# Altium PCB PCB1.PcbDoc
Units mil, origin at the board's own origin, x right, y up, seen from the top; angles counter-clockwise.
Board outline 1978.53 x 994.28 mil, 2 copper layers (Top Layer, Bottom Layer); 9 components, 6 nets, 31 pads, 4 vias.
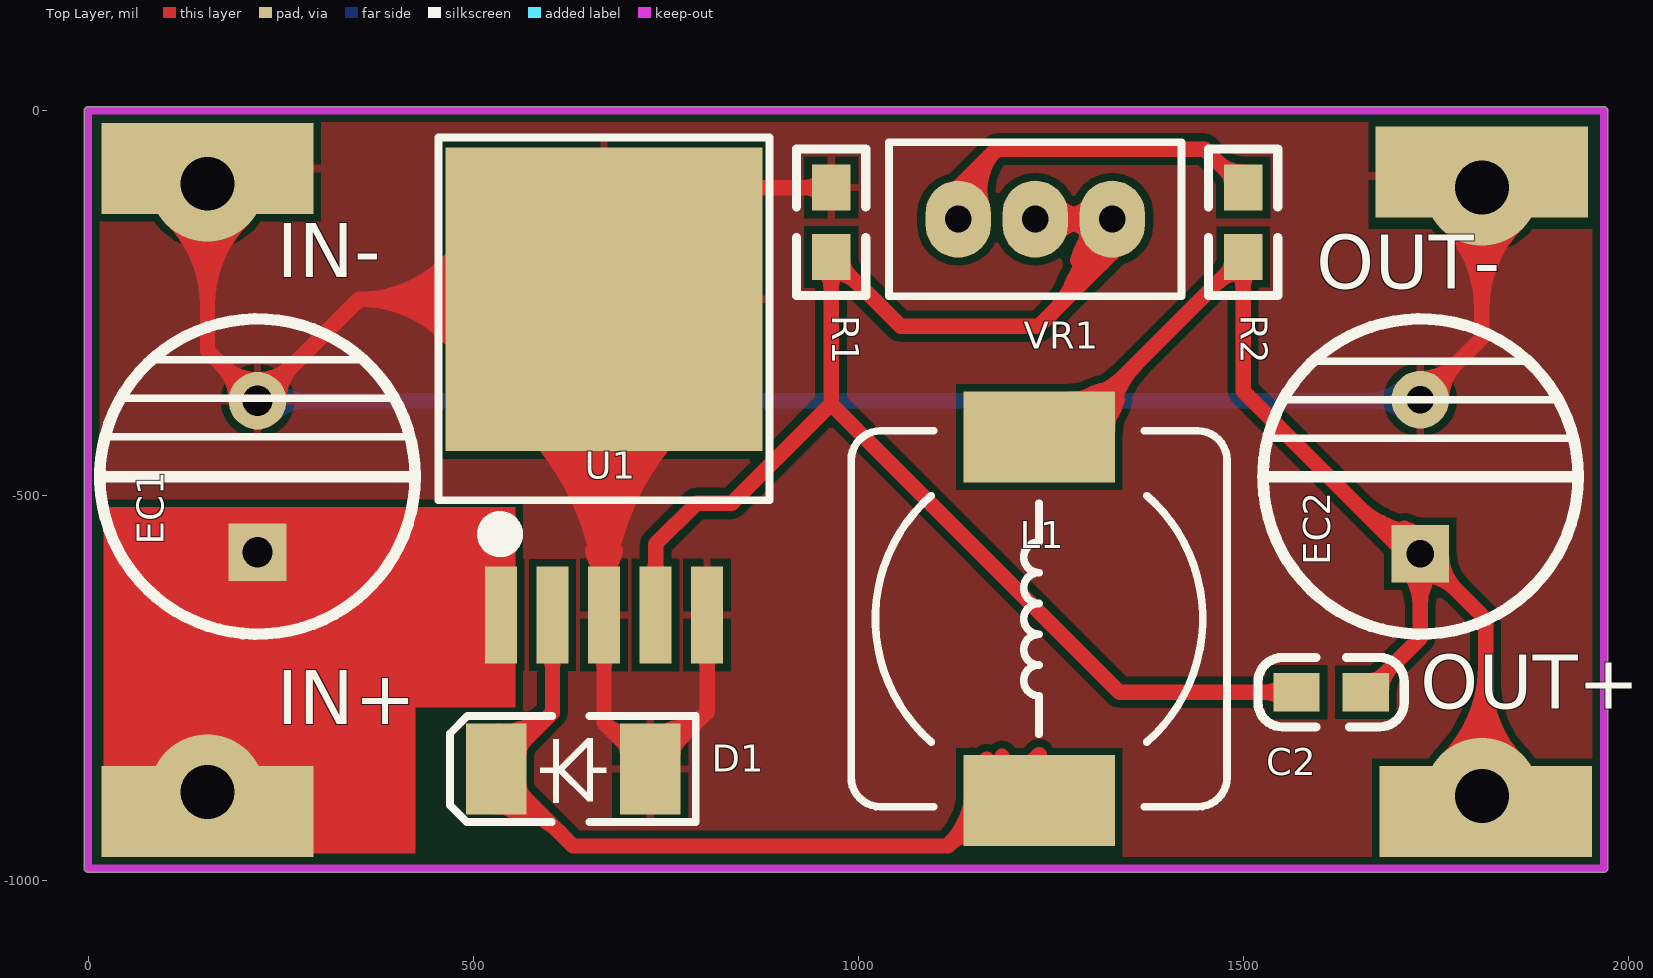
[diagram p0: Top Layer view]
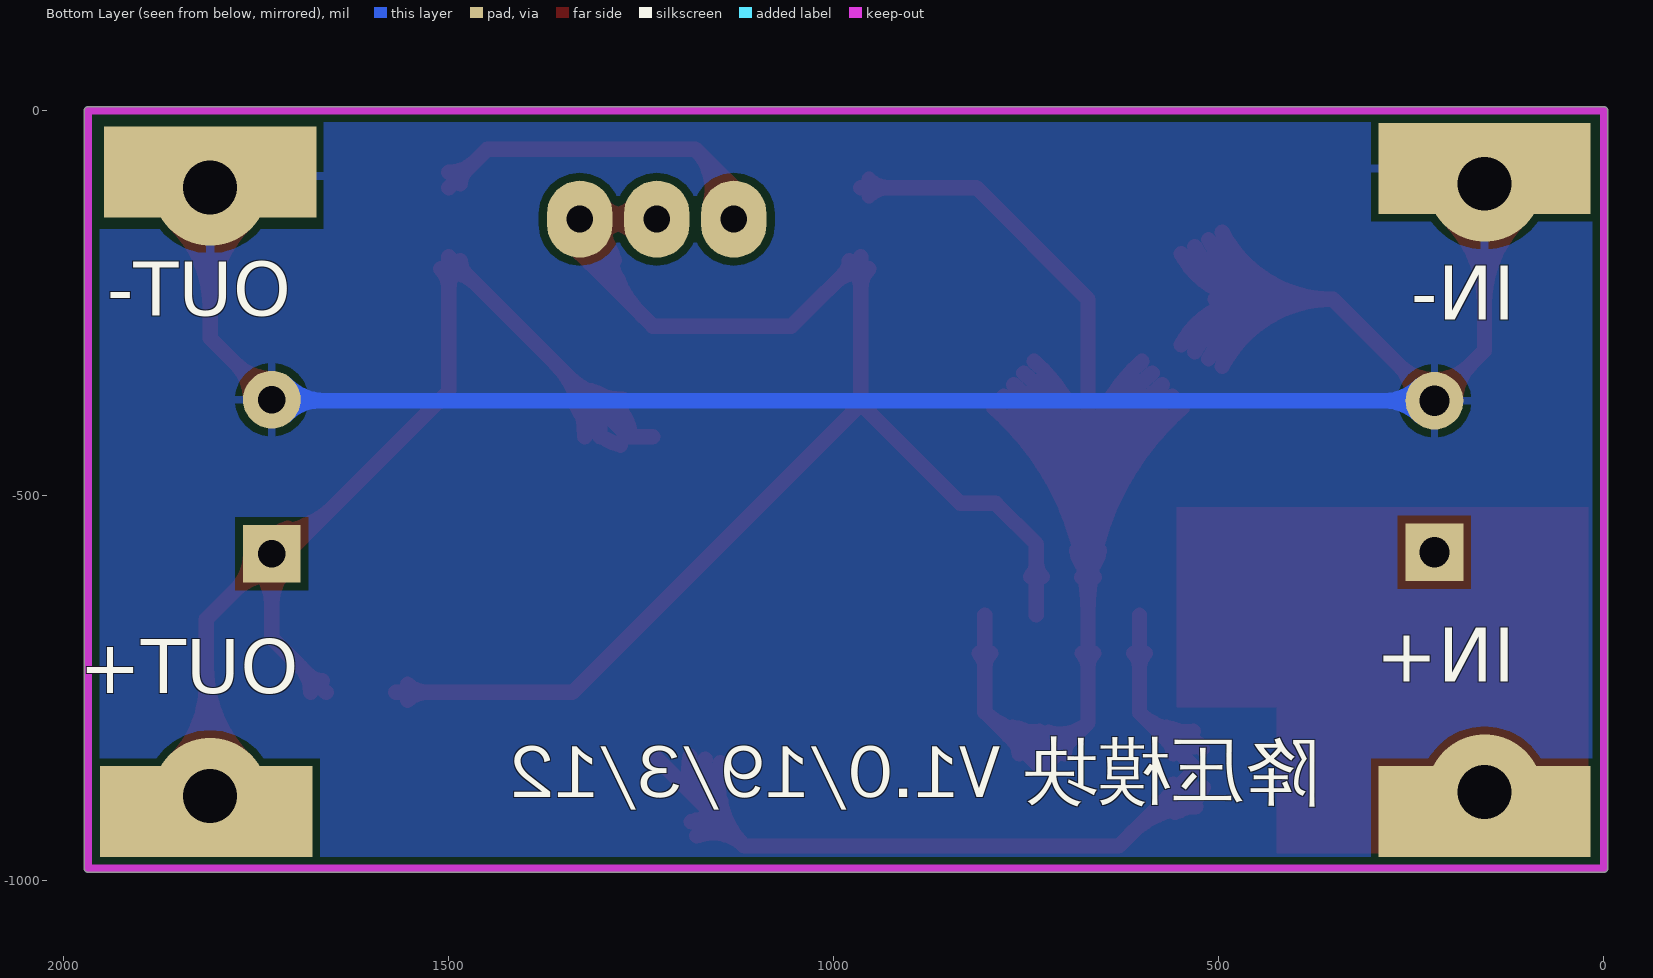
[diagram p1: Bottom Layer view, seen from below]
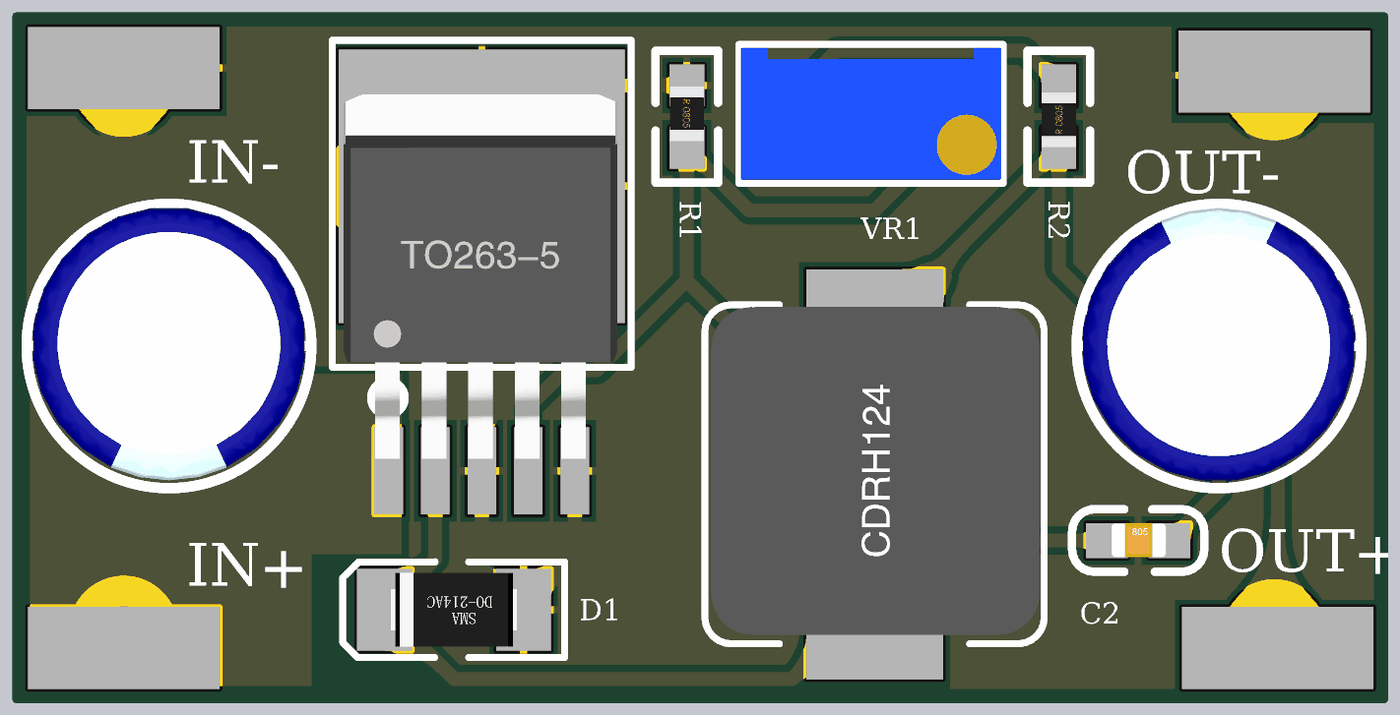
[diagram p2: 3D render of the assembled board from above, using the file's embedded part models]

## Layer stack, top to bottom
Top Layer: signal copper 1.4
Dielectric: dielectric 12.6, FR-4, Dk 4.8
Bottom Layer: signal copper 1.4

## Board outline
-5.01,-984.25 ccw(c0,-984.25) 0,-989.27 1968.5,-989.27 ccw(c1968.5,-984.25) 1973.52,-984.25 1973.52,0 ccw(c1968.5,0) 1968.5,5.01 0,5.01 ccw(c0,0) -5.01,0

## Design rules (kind name [scope] priority, off if disabled: settings)
Clearance [All] p1: gap=10
PolygonConnect [All] p1: connectstyle=Relief reliefconductorwidth=10 reliefentries=4 polygonreliefangle="90 Angle" airgapwidth=10
RoutingVias [All] p1: holewidth=28 width=50 viastyle="Through Hole" minholewidth=28 minwidth=50 maxholewidth=28 maxwidth=50
SolderMaskExpansion [All] p1: expansion=4
Width 5V [InNet('5V')] p1: maxlimit=20 minlimit=20 preferedwidth=20
Width 24V1 [InNet('24V')] p2: maxlimit=40 minlimit=35 preferedwidth=40
Width 24V [InNet('+24V')] p3: maxlimit=40 minlimit=35 preferedwidth=40
Width [All] p4: maxlimit=20 minlimit=20 preferedwidth=20
28 further rules are at their usual default settings.

## Components (designator, comment, footprint, x,y, rotation, side; value= is the part's Value field where it differs from the comment)
C2 "3.3nF" 0805C 1570,-755 r0 top
D1 "IN5822" SMA/DO-214AC 725,-855 r180 top
EC1 "470uF 50V" DIP-EC5.0X10X12.5 220,-573.66 r90 top
EC2 "220UF" DIP-EC5.0X10X16 1730,-575.47 r90 top
L1 "68UH" CDRH124 1235,-660 r90 top
R1 "1K2" 0805R 965,-100 r270 top
R2 "1K2" 0805R 1500,-190 r90 top
U1 "LM2596-5.0" TO263-5A 670,-655 r0 top
VR1 "20K" 3296W 1230,-141 r0 top

## Footprints (in the part's own frame and the unit in brackets; to place one, negate y for a bottom-side part, rotate by r counter-clockwise, add the part's x,y. Pads: shape width x height; smd on the part's side, far side on the other; paste and mask are expansions set on the pad)
0805C [mil]
  rect 60x50 smd: 1(-0.71,-0.4) 2(89.29,-0.4)
  silkscreen extent -51,-45 139,45, body extent 6,-25 84,25, height 31
0805R [mil]
  rect 60x50 smd: 1(0,0) 2(90,0)
  silkscreen extent -50,-45 140,45, body extent 1,-25 80,25, height 15
3296W [mil]
  oval 85x100 hole 35: 1(-100,0) 2(0,0) 3(100,0)
  silkscreen extent -190,-100 190,100, body extent -188,-94 188,94, height 455
CDRH124 [mm] "12*12*4.5mm（长宽高）"
  rect 3x5 smd: 1(-6,0) 2(6,0)
  silkscreen extent -6.2,-6.2 6.2,6.2, body extent -5.87,-6.03 6.13,5.97, height 4.55
DIP-EC5.0X10X12.5 [mm]
  rect 1.9x1.9 hole 1: 1(0,0)
  round 1.9 hole 1: 2(5,0)
  silkscreen extent -2.7,-5.21 7.7,5.2, body extent -2.41,-5 7.6,5, height 12.55
DIP-EC5.0X10X16 [mm]
  rect 1.9x1.9 hole 0.9: 1(0,0)
  round 1.9 hole 0.9: 2(5.08,0)
  silkscreen extent -2.65,-5.21 7.74,5.19, body extent -2.41,-5 7.6,5, height 16.04
SMA/DO-214AC [mm] "塑封二极管"
  rect 2x3 smd: A(-0.127,0) K(4.953,0)
  silkscreen extent -1.63,-1.75 6.48,1.75, body extent 0.11,-1.35 4.71,1.35, height 2.4
TO263-5A [mm] "263，5脚晶体管"
  rect 1.05x3.2 smd: 1(-3.4,0) 2(-1.7,0) 3(0,0) 4(1.7,0) 5(3.4,0)
  rect 10.45x10 smd: 3(0,10.414)
  silkscreen extent -5.46,2.29 5.46,15.75, body extent -5.05,0.45 4.95,13.78, height 4.5

## Part data
C2: library part CAP, "无极性电容"
D1: library part "DIODE SCHOTTKY", "肖特基二极管"
EC1 EC2: library part DIP_ECAP, "直插电解电容"
L1: library part INDUCTOR, "INDUCTOR"
R1 R2: library part RES
U1: "DC降压芯片"
VR1: library part RESVR

## Free pads (board coordinates)
  rect 275.59x118.11 smd: 0(155,-75) 1(155,-910) 2(1810,-80) 3(1815,-910)
  rect 275.59x118.11 smd far side: 0(155,-75) 1(155,-910) 2(1810,-80) 3(1815,-910)

## Via types
v1: diameter 150, hole 70, Top Layer to Bottom Layer, 4 vias

## Nets (pads, with @x,y where several pads share a name; then routed paths per layer and width w, separated by ;. In a path a pad name is that pad's centre, name@x,y a point inside that pad or via, vN(x,y) a via of type N, cw(c..) or ccw(c..) an arc to the next point about the centre after c; other vN are vias at no path point)
+24V: EC1.1 pad.1 U1.1 | length 2175.2
  Top Layer w35: v1@114.34,-844.34 ccw(c16.18,-746.18) 155,-746.18 ccw(c293.82,-746.18) v1@195.66,-844.34 ; pad.1@155,-910 155,-638.66 EC1.1 454.8,-573.66 U1.1 ; pad.1@125.62,-880.62 ccw(c54.68,-809.68) 155,-809.68 ; pad.1@125.62,-880.62 ccw(c54.68,-809.68) 155,-809.68 ; pad.1@125.62,-880.62 ccw(c54.68,-809.68) 155,-809.68 ; 155,-809.68 ccw(c255.32,-809.68) pad.1@184.38,-880.62 ; 155,-809.68 ccw(c255.32,-809.68) pad.1@184.38,-880.62 ; 155,-809.68 ccw(c255.32,-809.68) pad.1@184.38,-880.62 ; EC1.1@186.03,-607.63 cw(c220,-641.61) EC1.1@220,-593.56 ; EC1.1@186.03,-607.63 ccw(c152.05,-573.66) EC1.1@200.1,-573.66 ; EC1.1@186.03,-607.63 ccw(c152.05,-573.66) EC1.1@200.1,-573.66 ; EC1.1@186.03,-607.63 cw(c220,-641.61) EC1.1@220,-593.56 ; EC1.1@186.03,-607.63 ccw(c152.05,-573.66) EC1.1@200.1,-573.66 ; EC1.1@186.03,-607.63 cw(c220,-641.61) EC1.1@220,-593.56 ; EC1.1@234.07,-587.73 cw(c268.05,-621.7) 268.05,-573.66 ; EC1.1@234.07,-587.73 cw(c268.05,-621.7) 268.05,-573.66 ; EC1.1@234.07,-587.73 cw(c268.05,-621.7) 268.05,-573.66 ; EC1.1@234.07,-559.59 ccw(c268.05,-525.61) 268.05,-573.66 ; EC1.1@234.07,-559.59 ccw(c268.05,-525.61) 268.05,-573.66 ; EC1.1@234.07,-559.59 ccw(c268.05,-525.61) 268.05,-573.66 ; 458.48,-577.34 ccw(c536.14,-499.68) U1.1@536.14,-609.51 ; 458.48,-577.34 ccw(c536.14,-499.68) U1.1@536.14,-609.51 ; 458.48,-577.34 ccw(c536.14,-499.68) U1.1@536.14,-609.51 ; U1.1@518.23,-637.09 ccw(c536.14,-619.18) U1.1@536.14,-644.51 ; U1.1@518.23,-637.09 ccw(c536.14,-619.18) U1.1@536.14,-644.51 ; U1.1@518.23,-637.09 ccw(c536.14,-619.18) U1.1@536.14,-644.51
  other v1: 155,-885
GND1: D1.A EC1.2 EC2.2 pad.0 pad.2 R1.1 U1.3 U1.5 | length 17490.4
  Top Layer w20: v1@109.04,-140.96 cw(c-1.92,-251.92) 155,-251.92 cw(c311.92,-251.92) v1@200.96,-140.96 ; pad.0@123.18,-126.82 cw(c46.36,-203.64) 155,-203.64 cw(c263.64,-203.64) pad.0@186.82,-126.82 ; pad.0@155,-75 155,-311.81 EC1.2 351.81,-245 ; U1.3@505,-245 351.81,-245 ; D1.A@721.41,-829.05 cw(c778.93,-871.01) D1.A@767.93,-800.67 ; U1.5 803.86,-781.14 ; R1.1 815,-100 670,-245 U1.3@670,-655 ; EC2.2 1810,-295.47 pad.2@1810,-80 ; v1@1764.04,-145.96 cw(c1653.08,-256.92) 1810,-256.92 cw(c1966.92,-256.92) v1@1855.96,-145.96 ; pad.2@1778.18,-131.82 cw(c1701.36,-208.64) 1810,-208.64 cw(c1918.64,-208.64) pad.2@1841.82,-131.82 ; pad.0@120.31,-109.69 cw(c36.57,-193.43) 155,-193.43 ; pad.0@120.31,-109.69 cw(c36.57,-193.43) 155,-193.43 ; pad.0@120.31,-109.69 cw(c36.57,-193.43) 155,-193.43 ; pad.0@134.45,-95.55 cw(c84.85,-145.15) v1@155,-145.15 ; pad.0@134.45,-95.55 cw(c84.85,-145.15) v1@155,-145.15 ; pad.0@134.45,-95.55 cw(c84.85,-145.15) v1@155,-145.15 ; 155,-193.43 cw(c273.43,-193.43) pad.0@189.69,-109.69 ; 155,-193.43 cw(c273.43,-193.43) pad.0@189.69,-109.69 ; 155,-193.43 cw(c273.43,-193.43) pad.0@189.69,-109.69 ; v1@155,-145.15 cw(c225.15,-145.15) pad.0@175.55,-95.55 ; v1@155,-145.15 cw(c225.15,-145.15) pad.0@175.55,-95.55 ; v1@155,-145.15 cw(c225.15,-145.15) pad.0@175.55,-95.55 ; 173.22,-330.03 cw(c126.45,-376.81) EC1.2@192.6,-376.81 ; 173.22,-330.03 ccw(c220,-283.25) EC1.2@220,-349.41 ; 173.22,-330.03 ccw(c220,-283.25) EC1.2@220,-349.41 ; 173.22,-330.03 cw(c126.45,-376.81) EC1.2@192.6,-376.81 ; 173.22,-330.03 ccw(c220,-283.25) EC1.2@220,-349.41 ; 173.22,-330.03 cw(c126.45,-376.81) EC1.2@192.6,-376.81 ; EC1.2@220,-349.41 ccw(c220,-283.25) 266.78,-330.03 ; EC1.2@220,-349.41 ccw(c220,-283.25) 266.78,-330.03 ; EC1.2@220,-349.41 ccw(c220,-283.25) 266.78,-330.03 ; EC1.2@247.4,-376.81 cw(c313.55,-376.81) 266.78,-330.03 ; EC1.2@247.4,-376.81 cw(c313.55,-376.81) 266.78,-330.03 ; EC1.2@247.4,-376.81 cw(c313.55,-376.81) 266.78,-330.03 ; 351.82,-245 cw(c351.82,-407.61) U1.3@495.75,-331.95 ; 351.82,-245 ccw(c351.82,-82.39) U1.3@495.75,-158.05 ; 351.82,-245 ccw(c351.82,-82.39) U1.3@495.75,-158.05 ; 351.82,-245 cw(c351.82,-407.61) U1.3@495.75,-331.95 ; 351.82,-245 ccw(c351.82,-82.39) U1.3@495.75,-158.05 ; 351.82,-245 cw(c351.82,-407.61) U1.3@495.75,-331.95 ; 384.93,-245 cw(c384.93,-390.21) U1.3@513.46,-322.64 ; 384.93,-245 ccw(c384.93,-99.79) U1.3@513.46,-167.36 ; 384.93,-245 ccw(c384.93,-99.79) U1.3@513.46,-167.36 ; 384.93,-245 cw(c384.93,-390.21) U1.3@513.46,-322.64 ; 384.93,-245 ccw(c384.93,-99.79) U1.3@513.46,-167.36 ; 384.93,-245 cw(c384.93,-390.21) U1.3@513.46,-322.64 ; 418.04,-245 cw(c418.04,-372.8) U1.3@531.16,-313.33 ; 418.04,-245 ccw(c418.04,-117.2) U1.3@531.16,-176.67 ; 418.04,-245 ccw(c418.04,-117.2) U1.3@531.16,-176.67 ; 418.04,-245 cw(c418.04,-372.8) U1.3@531.16,-313.33 ; 418.04,-245 ccw(c418.04,-117.2) U1.3@531.16,-176.67 ; 418.04,-245 cw(c418.04,-372.8) U1.3@531.16,-313.33 ; 451.15,-245 cw(c451.15,-355.4) U1.3@548.86,-304.03 ; 451.15,-245 ccw(c451.15,-134.6) U1.3@548.86,-185.97 ; 451.15,-245 ccw(c451.15,-134.6) U1.3@548.86,-185.97 ; 451.15,-245 cw(c451.15,-355.4) U1.3@548.86,-304.03 ; 451.15,-245 ccw(c451.15,-134.6) U1.3@548.86,-185.97 ; 451.15,-245 cw(c451.15,-355.4) U1.3@548.86,-304.03 ; 670,-795 ccw(c705.63,-759.37) 721.03,-807.35 cw(c705.63,-759.37) 670,-795 ; 670,-795 U1.3@670,-655 ; 670,-795 D1.A 803.86,-781.14 ; 670,-723.08 cw(c695.76,-723.08) 677.54,-704.87 ccw(c695.76,-723.08) 670,-723.08 ; 670,-723.08 ccw(c644.24,-723.08) 662.46,-704.87 cw(c644.24,-723.08) 670,-723.08 ; U1.3@670,-654.98 cw(c1026.35,-654.98) 792.58,-386.02 ccw(c1026.35,-654.98) U1.3@670,-654.98 ; U1.3@670,-654.98 ccw(c313.65,-654.98) 547.42,-386.02 cw(c313.65,-654.98) U1.3@670,-654.98 ; U1.3@670,-611.09 cw(c988.21,-611.09) 779.46,-370.93 ccw(c988.21,-611.09) U1.3@670,-611.09 ; U1.3@670,-611.09 ccw(c351.79,-611.09) 560.54,-370.93 cw(c351.79,-611.09) U1.3@670,-611.09 ; 670,-586.92 cw(c644.24,-586.92) 662.46,-605.13 ccw(c644.24,-586.92) 670,-586.92 ; 670,-586.92 ccw(c695.76,-586.92) 677.54,-605.13 cw(c695.76,-586.92) 670,-586.92 ; 670,-567.21 cw(c950.06,-567.21) 766.34,-355.83 ccw(c950.06,-567.21) 670,-567.21 ; 670,-567.21 ccw(c389.94,-567.21) 573.66,-355.83 cw(c389.94,-567.21) 670,-567.21 ; 670,-523.33 cw(c911.92,-523.33) 753.22,-340.74 ccw(c911.92,-523.33) 670,-523.33 ; 670,-523.33 ccw(c428.08,-523.33) 586.78,-340.74 cw(c428.08,-523.33) 670,-523.33 ; 670,-479.45 cw(c873.78,-479.45) 740.1,-325.64 ccw(c873.78,-479.45) 670,-479.45 ; 670,-479.45 ccw(c466.22,-479.45) 599.9,-325.64 cw(c466.22,-479.45) 670,-479.45 ; 803.86,-781.14 cw(c742.39,-719.67) 733.13,-806.11 ccw(c742.39,-719.67) 803.86,-781.14 ; 803.86,-723.08 cw(c829.62,-723.08) 811.4,-704.87 ccw(c829.62,-723.08) 803.86,-723.08 ; 803.86,-723.08 ccw(c778.1,-723.08) 796.31,-704.87 cw(c778.1,-723.08) 803.86,-723.08 ; 928.79,-100 cw(c928.79,-136.21) 954.39,-110.61 ccw(c928.79,-136.21) 928.79,-100 ; 928.79,-100 ccw(c928.79,-63.79) 954.39,-89.39 cw(c928.79,-63.79) 928.79,-100 ; EC2.2@1730,-348.06 ccw(c1730,-281.91) 1776.78,-328.69 ; EC2.2@1730,-348.06 ccw(c1730,-281.91) 1776.78,-328.69 ; EC2.2@1730,-348.06 ccw(c1730,-281.91) 1776.78,-328.69 ; EC2.2@1757.4,-375.47 cw(c1823.55,-375.47) 1776.78,-328.69 ; EC2.2@1757.4,-375.47 cw(c1823.55,-375.47) 1776.78,-328.69 ; EC2.2@1757.4,-375.47 cw(c1823.55,-375.47) 1776.78,-328.69 ; pad.2@1775.31,-119.69 cw(c1691.57,-203.43) 1810,-203.43 ; pad.2@1775.31,-119.69 cw(c1691.57,-203.43) 1810,-203.43 ; pad.2@1775.31,-119.69 cw(c1691.57,-203.43) 1810,-203.43 ; pad.2@1789.45,-105.55 cw(c1739.85,-155.15) v1@1810,-155.15 ; pad.2@1789.45,-105.55 cw(c1739.85,-155.15) v1@1810,-155.15 ; pad.2@1789.45,-105.55 cw(c1739.85,-155.15) v1@1810,-155.15 ; 1810,-203.43 cw(c1928.43,-203.43) pad.2@1844.69,-119.69 ; 1810,-203.43 cw(c1928.43,-203.43) pad.2@1844.69,-119.69 ; 1810,-203.43 cw(c1928.43,-203.43) pad.2@1844.69,-119.69 ; v1@1810,-155.15 cw(c1880.15,-155.15) pad.2@1830.55,-105.55 ; v1@1810,-155.15 cw(c1880.15,-155.15) pad.2@1830.55,-105.55 ; v1@1810,-155.15 cw(c1880.15,-155.15) pad.2@1830.55,-105.55 ; 655.29,-571.18 ccw(c705.25,-562.41) 676.13,-603.94 cw(c705.25,-562.41) 655.29,-571.18 ; U1.3@661.58,-606.13 ccw(c640.71,-589.91) 666.94,-586.62 cw(c640.71,-589.91) U1.3@661.58,-606.13 ; U1.3@663.45,-604.26 ccw(c648.06,-584.45) 672.95,-587.57 cw(c648.06,-584.45) U1.3@663.45,-604.26 ; U1.3@663.87,-603.94 ccw(c634.75,-562.41) 684.71,-571.18 cw(c634.75,-562.41) U1.3@663.87,-603.94 ; 667.05,-587.57 ccw(c691.94,-584.45) 676.55,-604.26 cw(c691.94,-584.45) 667.05,-587.57 ; 673.06,-586.62 ccw(c699.29,-589.91) 678.42,-606.13 cw(c699.29,-589.91) 673.06,-586.62 ; D1.A@693.17,-818.17 ccw(c716.89,-794.46) 727.14,-826.39 cw(c716.89,-794.46) D1.A@693.17,-818.17 ; D1.A@693.78,-818.78 cw(c677.25,-835.32) 700.63,-835.32 ccw(c677.25,-835.32) D1.A@693.78,-818.78 ; D1.A@731,-826 ccw(c736.66,-773.1) 774.28,-810.72 cw(c736.66,-773.1) D1.A@731,-826 ; D1.A@759.37,-835.32 cw(c782.75,-835.32) 766.22,-818.78 ccw(c782.75,-835.32) D1.A@759.37,-835.32
  Bottom Layer w20: EC1.2 1728.66,-376.81 EC2.2 ; EC1.2@239.38,-396.18 cw(c286.15,-442.96) 286.15,-376.81 ; EC1.2@239.38,-396.18 cw(c286.15,-442.96) 286.15,-376.81 ; EC1.2@239.38,-396.18 cw(c286.15,-442.96) 286.15,-376.81 ; EC1.2@239.38,-357.43 ccw(c286.15,-310.65) 286.15,-376.81 ; EC1.2@239.38,-357.43 ccw(c286.15,-310.65) 286.15,-376.81 ; EC1.2@239.38,-357.43 ccw(c286.15,-310.65) 286.15,-376.81 ; 1660.61,-376.81 ccw(c1660.61,-306.07) EC2.2@1710.62,-356.09 ; 1660.61,-376.81 ccw(c1660.61,-306.07) EC2.2@1710.62,-356.09 ; 1660.61,-376.81 ccw(c1660.61,-306.07) EC2.2@1710.62,-356.09 ; 1667.09,-376.81 cw(c1667.09,-438.38) EC2.2@1710.62,-394.84 ; 1667.09,-376.81 cw(c1667.09,-438.38) EC2.2@1710.62,-394.84 ; 1667.09,-376.81 cw(c1667.09,-438.38) EC2.2@1710.62,-394.84
  other v1: 1810,-100 155,-95
NetC2_1: C2.1 R1.2 U1.4 VR1.2 VR1.3 | length 3609.8
  Top Layer w20: U1.4@729.38,-605.13 ccw(c711.17,-586.92) 736.93,-586.92 ccw(c762.69,-586.92) U1.4@744.47,-605.13 ; U1.4 736.93,-563.07 790,-510 835.84,-510 965,-380.84 ; VR1.2@1230,-140 1330,-140 1330,-185 1235,-280 1055,-280 R1.2 965,-380.84 ; 1273.18,-239.25 cw(c1397.6,-272.59) VR1.3@1335.98,-159.48 ; 1285.26,-194.2 cw(c1366.8,-216.05) VR1.3@1326.41,-141.91 ; VR1.3@1301.85,-164.75 cw(c1269.6,-183.37) 1305.57,-193.01 ; 1306.15,-190.84 cw(c1349.49,-202.45) VR1.3@1334.25,-160.26 ; C2.1 1339.56,-755.4 965,-380.84 ; 965,-231.21 cw(c1001.21,-231.21) 975.61,-205.61 ccw(c1001.21,-231.21) 965,-231.21 ; 965,-231.21 ccw(c928.79,-231.21) 954.39,-205.61 cw(c928.79,-231.21) 965,-231.21 ; 1528.08,-755.4 cw(c1528.08,-791.61) 1553.69,-766.01 ccw(c1528.08,-791.61) 1528.08,-755.4 ; 1528.08,-755.4 ccw(c1528.08,-719.19) 1553.69,-744.79 cw(c1528.08,-719.19) 1528.08,-755.4 ; R1.2@965,-210 cw(c965,-258.28) 999.14,-224.14 ccw(c965,-258.28) R1.2@965,-210 ; R1.2@980,-195 ccw(c1004.14,-195) 987.07,-212.07 cw(c1004.14,-195) R1.2@980,-195 ; 1248.71,-266.29 ccw(c1130.92,-148.5) 1297.5,-148.5 cw(c1130.92,-148.5) 1248.71,-266.29 ; VR1.2@1249.12,-140 cw(c1249.12,-221.88) 1307.02,-163.98 ccw(c1249.12,-221.88) VR1.2@1249.12,-140 ; VR1.2@1252.98,-163.98 cw(c1310.88,-221.88) 1310.88,-140 ccw(c1310.88,-221.88) VR1.2@1252.98,-163.98 ; VR1.2@1252.98,-118.02 ccw(c1306.05,-64.95) 1306.05,-140 cw(c1306.05,-64.95) VR1.2@1252.98,-118.02 ; VR1.2@1253.95,-140 ccw(c1253.95,-64.95) 1307.02,-118.02 cw(c1253.95,-64.95) VR1.2@1253.95,-140 ; 1282.85,-232.15 ccw(c1199.2,-148.5) 1317.5,-148.5 cw(c1199.2,-148.5) 1282.85,-232.15 ; 1316.99,-198.01 ccw(c1267.49,-148.5) 1337.5,-148.5 cw(c1267.49,-148.5) 1316.99,-198.01
NetD1_K: D1.K L1.1 U1.2 | length 3260.5
  Top Layer w20: U1.2 603.07,-781.93 ; L1.1@1142,-929.22 ccw(c1075.62,-862.84) L1.1@1167.26,-842.51 ; L1.1@1147.74,-846.84 cw(c1033.43,-872.2) 1116.22,-955 ; L1.1@1167.77,-903.45 ccw(c1117.81,-853.48) L1.1@1186.79,-838.18 ; 1235,-836.22 1116.22,-955 ; D1.K@520.21,-878.82 ccw(c572.33,-856.83) D1.K@557.69,-911.47 ; D1.K@520.21,-878.82 ccw(c572.33,-856.83) D1.K@557.69,-911.47 ; D1.K@520.21,-878.82 ccw(c572.33,-856.83) D1.K@557.69,-911.47 ; D1.K@521.47,-828.97 cw(c578.58,-871.48) D1.K@568.26,-801.04 ; D1.K@521.47,-828.97 cw(c578.58,-871.48) D1.K@568.26,-801.04 ; D1.K@521.47,-828.97 cw(c578.58,-871.48) D1.K@568.26,-801.04 ; D1.K@530,-904.05 cw(c530,-1022.48) 613.74,-938.74 ; D1.K@530,-904.05 cw(c530,-1022.48) 613.74,-938.74 ; D1.K@530,-904.05 cw(c530,-1022.48) 613.74,-938.74 ; D1.K@530,-884.05 cw(c530,-954.2) 579.6,-904.6 ; D1.K@530,-884.05 cw(c530,-954.2) 579.6,-904.6 ; D1.K@530,-884.05 cw(c530,-954.2) 579.6,-904.6 ; D1.K@531.09,-826.01 ccw(c537.12,-774.41) 573.86,-811.14 ; D1.K@531.09,-826.01 ccw(c537.12,-774.41) 573.86,-811.14 ; D1.K@531.09,-826.01 ccw(c537.12,-774.41) 573.86,-811.14 ; D1.K@533.41,-806.14 ccw(c543.24,-722.1) 603.07,-781.93 ; D1.K@533.41,-806.14 ccw(c543.24,-722.1) 603.07,-781.93 ; D1.K@533.41,-806.14 ccw(c543.24,-722.1) 603.07,-781.93 ; D1.K@538.63,-871.04 ccw(c620.05,-836.71) 597.18,-922.06 ; D1.K@538.63,-871.04 ccw(c620.05,-836.71) 597.18,-922.06 ; D1.K@538.63,-871.04 ccw(c620.05,-836.71) 597.18,-922.06 ; D1.K@559.37,-874.68 ccw(c582.75,-874.68) D1.K@566.22,-891.22 ; D1.K@559.37,-874.68 ccw(c582.75,-874.68) D1.K@566.22,-891.22 ; D1.K@559.37,-874.68 ccw(c582.75,-874.68) D1.K@566.22,-891.22 ; D1.K@559.37,-835.32 cw(c582.75,-835.32) D1.K@566.22,-818.78 ; D1.K@559.37,-835.32 cw(c582.75,-835.32) D1.K@566.22,-818.78 ; D1.K@559.37,-835.32 cw(c582.75,-835.32) D1.K@566.22,-818.78 ; U1.2@595.53,-704.87 cw(c577.31,-723.08) 603.07,-723.08 ; U1.2@595.53,-704.87 cw(c577.31,-723.08) 603.07,-723.08 ; U1.2@595.53,-704.87 cw(c577.31,-723.08) 603.07,-723.08 ; 603.07,-781.93 D1.K 630,-955 1116.22,-955 ; 603.07,-723.08 cw(c628.83,-723.08) U1.2@610.61,-704.87 ; 603.07,-723.08 cw(c628.83,-723.08) U1.2@610.61,-704.87 ; 603.07,-723.08 cw(c628.83,-723.08) U1.2@610.61,-704.87 ; 1116.22,-955 cw(c1157.08,-995.85) 1177.93,-941.97 ccw(c1157.08,-995.85) 1116.22,-955 ; 1126.48,-944.74 ccw(c1077.95,-896.22) 1146.57,-896.22 cw(c1077.95,-896.22) 1126.48,-944.74 ; L1.1@1137.94,-933.28 cw(c1169.19,-964.54) 1185.14,-923.32 ccw(c1169.19,-964.54) L1.1@1137.94,-933.28
NetR2_2: R2.2 VR1.1 | length 847.7
  Top Layer w20: VR1.1@1130,-140 1130,-100 1180,-50 ; R2.2 1450,-50 1180,-50 ; 1180,-50 ccw(c1232.95,-102.95) 1161.16,-124.26 cw(c1232.95,-102.95) 1180,-50 ; VR1.1@1141.98,-129.94 cw(c1196.3,-113.83) 1156.24,-73.76 ccw(c1196.3,-113.83) VR1.1@1141.98,-129.94 ; 1465.86,-65.86 ccw(c1500,-31.72) 1500,-80 cw(c1500,-31.72) 1465.86,-65.86 ; R2.2@1477.93,-77.93 cw(c1460.86,-95) 1485,-95 ccw(c1460.86,-95) R2.2@1477.93,-77.93
VOUT+: C2.2 EC2.1 L1.2 pad.3 R2.1 | length 4240.9
  Top Layer w20: L1.2 1266.22,-423.78 R2.1 1500,-364.06 EC2.1@1720.7,-584.76 ; L1.2@1263.53,-422.24 cw(c1333.69,-432.18) 1315.35,-363.74 ; L1.2@1277.16,-434.36 ccw(c1255.93,-353.81) 1336.4,-375.37 ; C2.2 1730,-684.69 EC2.1 ; 1669.79,-531.93 cw(c1648.91,-609.86) EC2.1@1723.19,-578.36 ; EC2.1@1709.39,-542.54 cw(c1696.79,-589.55) EC2.1@1741.6,-570.55 ; EC2.1@1748.79,-594.25 1815,-660.47 pad.3@1815,-910 ; v1@1764.04,-844.04 ccw(c1641.01,-721.01) 1815,-721.01 ; pad.3@1778.18,-858.18 ccw(c1689.29,-769.29) 1815,-769.29 ; 1815,-793.43 ccw(c1906.57,-793.43) pad.3@1841.82,-858.18 ; 1815,-745.15 ccw(c1954.85,-745.15) v1@1855.96,-844.04 ; 1500,-231.21 cw(c1536.21,-231.21) 1510.61,-205.61 ccw(c1536.21,-231.21) 1500,-231.21 ; 1500,-231.21 ccw(c1463.79,-231.21) 1489.39,-205.61 cw(c1463.79,-231.21) 1500,-231.21 ; 1730,-641.62 cw(c1796.15,-641.62) 1749.38,-594.84 ccw(c1796.15,-641.62) 1730,-641.62 ; 1730,-641.62 ccw(c1663.85,-641.62) 1710.62,-594.84 cw(c1663.85,-641.62) 1730,-641.62 ; 1776.78,-622.24 cw(c1823.55,-575.47) 1757.4,-575.47 ccw(c1823.55,-575.47) 1776.78,-622.24 ; 1776.78,-622.24 ccw(c1730,-669.02) 1730,-602.87 cw(c1730,-669.02) 1776.78,-622.24 ; v1@1815,-839.85 cw(c1744.85,-839.85) 1794.45,-889.45 ccw(c1744.85,-839.85) v1@1815,-839.85 ; v1@1815,-839.85 ccw(c1885.15,-839.85) 1835.55,-889.45 cw(c1885.15,-839.85) v1@1815,-839.85 ; 1815,-791.57 cw(c1696.57,-791.57) 1780.31,-875.31 ccw(c1696.57,-791.57) 1815,-791.57 ; 1815,-791.57 ccw(c1933.43,-791.57) 1849.69,-875.31 cw(c1933.43,-791.57) 1815,-791.57 ; L1.2@1274.37,-374.72 ccw(c1274.37,-275.97) 1344.2,-345.8 cw(c1274.37,-275.97) L1.2@1274.37,-374.72 ; L1.2@1303.43,-423.78 cw(c1393.25,-423.78) 1329.73,-360.27 ccw(c1393.25,-423.78) L1.2@1303.43,-423.78 ; L1.2@1323.43,-423.78 cw(c1461.53,-423.78) 1363.88,-326.12 ccw(c1461.53,-423.78) L1.2@1323.43,-423.78 ; 1465.86,-224.14 cw(c1500,-258.28) 1500,-210 ccw(c1500,-258.28) 1465.86,-224.14 ; R2.1@1477.93,-212.07 ccw(c1460.86,-195) 1485,-195 cw(c1460.86,-195) R2.1@1477.93,-212.07 ; 1651.47,-515.54 ccw(c1730,-437.01) 1730,-548.06 cw(c1730,-437.01) 1651.47,-515.54 ; C2.2@1664.29,-740.4 ccw(c1664.29,-716.26) 1681.37,-733.33 cw(c1664.29,-716.26) C2.2@1664.29,-740.4 ; C2.2@1679.29,-755.4 cw(c1727.58,-755.4) 1693.44,-721.26 ccw(c1727.58,-755.4) C2.2@1679.29,-755.4 ; 1685.61,-549.68 ccw(c1730,-505.29) 1730,-568.06 cw(c1730,-505.29) 1685.61,-549.68
  other v1: 1810,-890

## Polygon pours and split planes (outlines as drawn)
GND1 on Bottom Layer "Bottom Layer-No Net" (solid, remove dead copper, pour order 4): 0,0 1968.5,0 1968.5,-984.25 0,-984.25
GND1 on Top Layer "Bottom Layer-No Net" (solid, remove dead copper, pour order 8): 0,0 10,-10 1968.5,-10 1968.5,-984.25 0,-984.25

## Keep-outs
Keep-Out Layer:
  lines w10: 0,-984.25 0,0 1968.5,0 1968.5,-984.25 0,-984.25

## Other copper
Top Layer:
  rectangle net +24V: 20,-965 425,-775
  rectangle net +24V: 20,-775 555,-515

## Silkscreen, mask and mechanical layers (free items; w line width, h text height)
Top Overlay:
  text "IN-" at 245,-240 h120
  text "OUT-" at 1595,-255 h120
  text "OUT+" at 1730,-800 h120
  text "IN+" at 245,-820 h120
Bottom Overlay:
  text "OUT-" at 1705,-290 h120
  text "IN-" at 115,-295 h120
  text "IN+" at 115,-765 h120
  text "OUT+" at 1695,-780 h120
  text "降压模块 V1.0/19/3/12" at 370,-915 h120